# Altium PCB WPTChargerMain.PcbDoc (part 3 of 3)
Units mm, origin at the board's own origin, x right, y up, seen from the top; angles counter-clockwise.
Board outline 107.3 x 57.2 mm, 4 copper layers (Top, GND, Power, Bottom), stack 1.534 mm thick; 206 components, 90 nets, 548 pads, 577 vias.
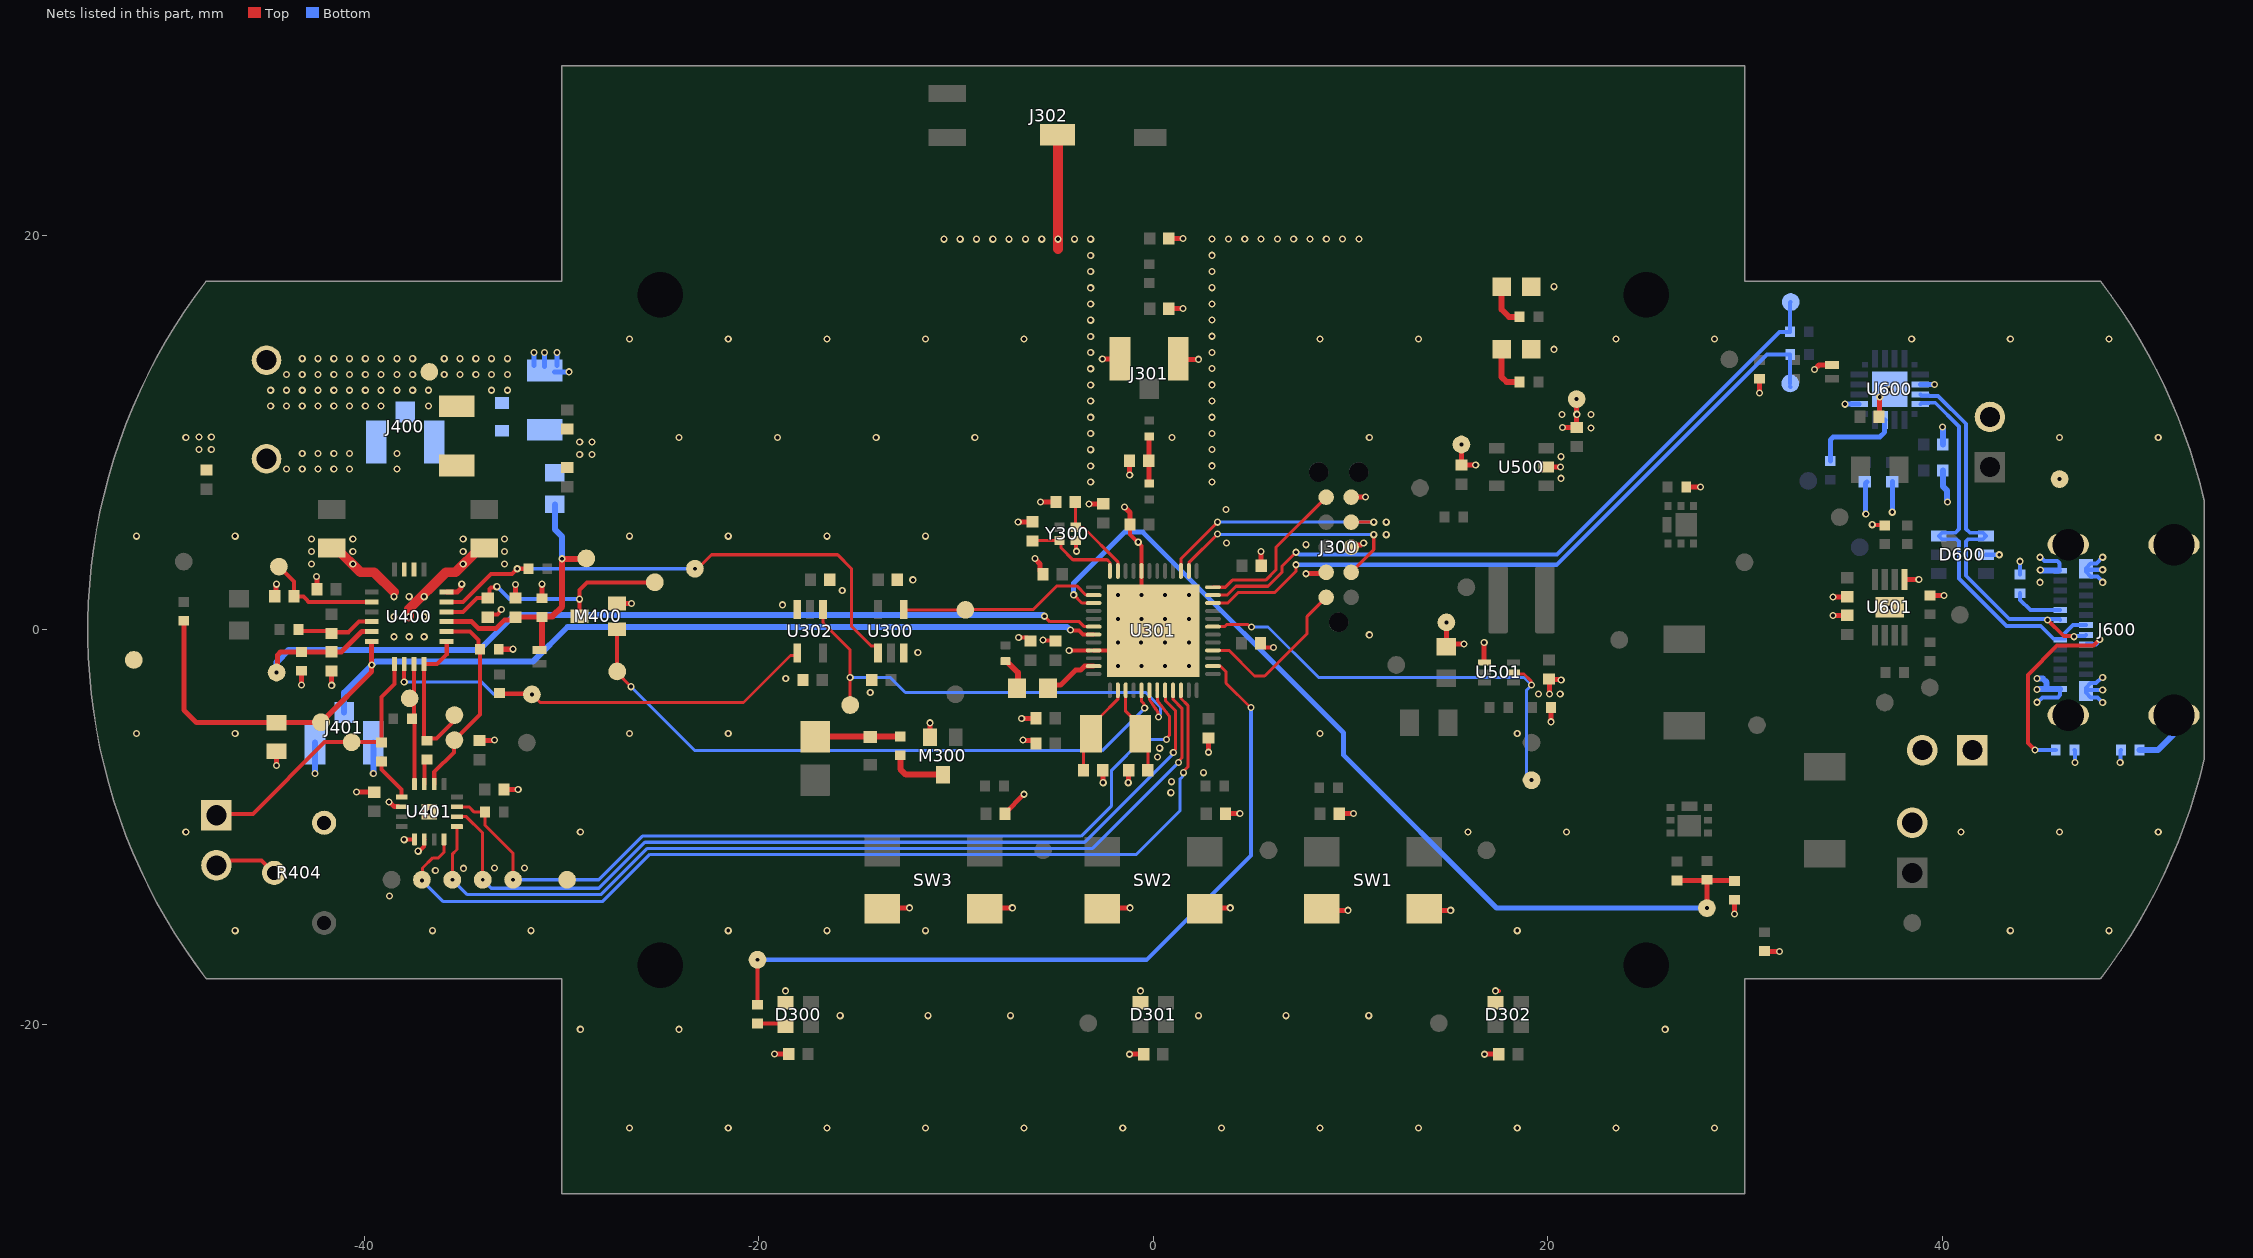
[diagram p5: the nets of this part, all layers, seen from the top]

## Via types
v1: diameter 0.365/0.365/0.365/0.365 (per signal layer), hole 0.2, Top to Bottom, tented both sides, 430 vias
v2: diameter 0.365, hole 0.2, Top to Bottom, tented both sides, 97 vias
v3: diameter 0.365/0.365/0.365/0.365 (per signal layer), hole 0.2, Top to Bottom, 50 vias

## Nets (pads, with @x,y where several pads share a name; then routed paths per layer and width w, separated by ;. In a path a pad name is that pad's centre, name@x,y a point inside that pad or via, vN(x,y) a via of type N, cw(c..) or ccw(c..) an arc to the next point about the centre after c; other vN are vias at no path point) (continued)
GND: C300.1 C301.1 C302.1 C303.1 C304.1 C305.1 C306.1 C307.1 C308.2 C309.1 C310.1 C311.1 C312.2 C313.1 C314.2 C315.1 C316.1 C317.1 C318.1 C319.1 C320.1 C321.1 C322.1 C323.1 C324.1 C325.1 C326.1 C401.1 C402.1 C403.1 C405.1 C406.1 C407.1 C408.1 C409.1 C410.1 C411.1 C412.1 C413.1 C414.1 C415.1 C500.2 C501.2 C502.1 C503.1 C600.2 C601.1 C602.1 C603.2 C604.1 C605.1 C606.1 D300.3 D301.3 D302.3 D500.K D600.2 D603.1 D604.K J300.3 J300.5 J300.9 J301.2 J301.3 J302.3 J401.2 J401.3 J600.A1 J600.A12 J600.B1 J600.B12 J601.2 JP600.2 JP601.1 JP601.2 M300.2 M400.2 NTC400.1 R401.1 R404.3 R407.1 R412.1 R502.1 R600.2 R601.2 R602.2 R606.1 R607.1 R612.1 R613.1 R616.1 R618.1 SW1.1 SW1.2 SW2.1 SW2.2 SW3.1 SW3.2 TP420.1 TP421.1 TP503.1 TP505.1 TP506.1 TP614.1 U300.3 U301.32 U301.45 U301.49 U302.3 U400.16 U400.21 U401.6 U401.9 U401.10 U401.17 U500.2 U501.4 U600.3 U600.12 U600.21 U601.5 U601.9 Y300.4 | length 108.3
  Top w0.205: v1@-44.456,-6.878 v1(-44.453,-6.88) ; v1@-43.181,-2.798 v1(-43.178,-2.8) ; v1@-41.657,-2.808 v1(-41.654,-2.81) ; v1(-37.981,-10.636) -37.972,-10.627 -37.464,-10.627 U401.9@-37.456,-10.619 ; v1(-37.269,-11.221) -37.239,-11.19 -37.184,-11.19 -36.973,-10.98 -36.973,-10.636 U401.10@-36.956,-10.619 ; C411.1@-33.739,0.642 -33.604,0.777 -33.254,0.777 -33.084,0.947 -33.084,1.01 v1(-33.054,1.04) ; v1@-32.464,-0.982 v1(-32.462,-0.979) ; v1@-32.2,-8.094 v1(-32.198,-8.091) ; v1@-26.462,1.339 v1(-26.46,1.342) ; v1(-19.203,-21.505) v1@-19.2,-21.503 ; C305.1@-18.479,-21.503 C305.1@-18.477,-21.5 ; D300.3@-18.477,-19.023 D300.3@-18.475,-19.025 ; SW3.2@-13.081,-14.097 SW3.2@-13.079,-14.095 ; v1@-12.357,-14.095 v1(-12.355,-14.092) ; v1(-11.323,-4.713) v1@-11.32,-4.715 ; SW3.1@-7.874,-14.097 SW3.1@-7.872,-14.095 ; v1@-7.15,-14.095 v1(-7.148,-14.092) ; v1(-6.851,5.475) v1@-6.849,5.478 ; v1(-6.825,-0.383) -6.817,-0.392 -6.401,-0.392 C301.1@-6.223,-0.57 ; v1(-6.672,-4.489) v1@-6.67,-4.486 ; v1(-5.588,-0.508) -5.557,-0.539 -4.984,-0.539 C300.1@-4.953,-0.57 ; v1(-4.265,-1.045) -4.261,-1.042 U301.45@-3.247,-1.042 ; Y300.4@-3.937,4.533 -3.912,4.508 -3.912,4.013 v1(-3.886,3.988) ; v1(-3.266,6.387) v1@-3.264,6.39 ; U301.45@-3.025,-1.039 -2.247,-1.039 U301.49@-1.875,-0.667 ; v1(-2.586,13.741) v1@-2.583,13.744 ; SW2.2@-1.905,-14.097 SW2.2@-1.903,-14.095 ; v1(-1.211,-21.515) v1@-1.209,-21.512 ; v1@-1.199,7.855 v1(-1.197,7.852) ; C316.1@-1.187,5.338 -1.187,4.841 -0.591,4.245 U301.32@-0.591,2.995 ; v1@-1.181,-14.095 v1(-1.179,-14.092) ; v1(-0.6,1.761) U301.32@-0.6,2.986 ; C307.1@-0.487,-21.512 C307.1@-0.485,-21.51 ; D301.3@-0.477,-19.023 D301.3@-0.475,-19.025 ; v1@1.508,16.289 v1(1.51,16.291) ; v1@1.508,19.845 v1(1.51,19.847) ; v1@2.796,-6.201 v1(2.799,-6.203) ; SW2.1@3.175,-14.097 SW2.1@3.177,-14.095 ; v1@3.899,-14.095 v1(3.901,-14.092) ; v1@4.384,-9.316 v1(4.386,-9.313) ; C320.1@5.438,-0.674 5.438,-0.699 5.62,-0.881 6.088,-0.881 v1(6.096,-0.889) ; v1(5.464,3.976) v1@5.466,3.973 ; SW1.2@9.144,-14.224 SW1.2@9.146,-14.222 ; v1@9.868,-14.222 v1(9.87,-14.219) ; v1@10.149,-9.316 v1(10.151,-9.313) ; v1@10.757,6.733 v1(10.759,6.736) ; SW1.1@14.351,-14.224 SW1.1@14.353,-14.222 ; v1@15.075,-14.222 v1(15.077,-14.219) ; C501.2@15.619,8.357 C501.2@15.621,8.359 ; v1@16.342,8.359 v1(16.345,8.361) ; v1(16.789,-21.515) v1@16.791,-21.512 ; C306.1@17.513,-21.512 C306.1@17.515,-21.51 ; v1@17.52,-18.299 v1@17.523,-18.301 ; D302.3@17.523,-19.023 D302.3@17.525,-19.025 ; U500.2@19.917,8.253 U500.2@19.92,8.255 ; C502.1@20.077,-2.521 C502.1@20.08,-2.523 ; v1@20.08,-3.244 v1(20.082,-3.247) ; R502.1@20.158,-3.935 R502.1@20.16,-3.937 ; v1@20.16,-4.658 v1(20.162,-4.661) ; v1@20.641,8.255 v1(20.643,8.257) ; v1(20.739,10.262) v1@20.742,10.264 ; R613.1@27.016,7.237 R613.1@27.018,7.239 ; v1@27.739,7.239 v1(27.742,7.241) ; R618.1@29.464,-13.683 R618.1@29.466,-13.685 ; v1@29.466,-14.407 v1(29.469,-14.409) ; R616.1@30.732,12.735 R616.1@30.734,12.733 ; v1@30.734,12.012 v1(30.736,12.009) ; R612.1@30.988,-16.281 R612.1@30.99,-16.284 ; v1(34.453,0.734) v1@34.455,0.737 ; v1(34.453,1.669) v1@34.455,1.672 ; C605.1@35.177,0.737 C605.1@35.179,0.739 ; C606.1@35.177,1.672 C606.1@35.179,1.674 ; v1(36.449,5.334) 36.465,5.318 37.068,5.318 R607.1@37.084,5.301 ; U601.5@38.086,2.551 U601.5@38.088,2.553 ; v1@38.809,2.553 v1(38.812,2.555) ; R606.1@39.368,1.743 R606.1@39.37,1.745 ; v1@40.091,1.745 v1(40.094,1.747)
  Top w0.254: C405.1@-44.538,1.703 -44.479,1.762 -44.479,2.297 v1(-44.458,2.318) ; v1@-44.456,-6.878 NTC400.1@-44.456,-6.156 ; v1@-43.181,-2.798 R401.1@-43.181,-2.076 ; v1(-42.426,2.699) -42.405,2.678 -42.405,2.126 C401.1@-42.343,2.064 ; v1@-41.657,-2.808 C406.1@-41.657,-2.086 ; v1(-40.394,-8.223) -40.393,-8.224 -39.502,-8.224 C409.1@-39.5,-8.226 ; v1(-38.743,-8.731) -38.713,-8.731 -38.482,-8.962 U401.6@-38.279,-8.962 ; U400.16@-35.827,1.917 -35.285,1.917 -35.091,2.112 -35.091,2.287 v1(-35.06,2.318) ; C412.1@-34.124,-5.588 -34.113,-5.599 -33.412,-5.599 v1(-33.401,-5.588) ; R407.1@-33.186,-0.982 v1@-32.464,-0.982 ; C410.1@-32.922,-8.094 v1@-32.2,-8.094 ; C407.1@-32.342,1.611 -32.339,1.614 -32.339,2.304 v1(-32.337,2.306) ; R412.1@-30.997,1.602 v1@-30.997,2.317 ; M400.2@-27.184,1.339 v1@-26.462,1.339 ; v1@-19.2,-21.503 C305.1@-18.479,-21.503 ; SW3.2@-13.079,-14.095 v1@-12.357,-14.095 ; M300.2@-11.32,-5.437 v1@-11.32,-4.715 ; SW3.1@-7.872,-14.095 v1@-7.15,-14.095 ; C304.1@-7.514,-9.316 -7.514,-9.291 -6.563,-8.34 v1(-6.563,-8.332) ; v1@-6.849,5.478 C308.2@-6.127,5.478 ; v1@-6.67,-4.486 C309.1@-5.948,-4.486 ; v1(-6.604,-5.588) -6.583,-5.609 -6.096,-5.609 C311.1@-5.948,-5.756 ; v1(-5.993,3.62) -5.993,3.59 -5.747,3.344 -5.747,2.977 C310.1@-5.591,2.821 ; v1(-5.715,6.477) -4.935,6.477 C312.2@-4.932,6.475 ; v1@-3.264,6.39 C314.2@-2.542,6.39 ; v1@-2.583,13.744 J301.3@-1.862,13.744 ; C313.1@-2.561,-7.114 -2.551,-7.124 -2.551,-7.736 v1(-2.54,-7.747) ; SW2.2@-1.903,-14.095 v1@-1.181,-14.095 ; v1(-1.464,6.227) -1.184,5.947 C316.1@-1.184,5.338 ; v1(-1.27,-7.747) -1.258,-7.735 -1.258,-7.128 C315.1@-1.247,-7.117 ; v1@-1.209,-21.512 C307.1@-0.487,-21.512 ; v1@-1.199,7.855 C317.1@-1.199,8.576 ; C321.1@0.787,16.289 v1@1.508,16.289 ; C322.1@0.787,19.845 v1@1.508,19.845 ; J301.2@1.445,13.455 1.445,13.496 1.664,13.716 v1(2.286,13.716) ; v1@2.796,-6.201 C318.1@2.796,-5.479 ; SW2.1@3.177,-14.095 v1@3.899,-14.095 ; C303.1@3.662,-9.316 v1@4.384,-9.316 ; C319.1@5.466,3.252 v1@5.466,3.973 ; v1(7.747,2.845) 7.768,2.867 8.709,2.867 J300.9@8.763,2.921 ; SW1.2@9.146,-14.222 v1@9.868,-14.222 ; C302.1@9.427,-9.316 v1@10.149,-9.316 ; J300.3@10.035,4.193 10.135,4.293 10.522,4.293 10.638,4.409 v1(10.668,4.409) ; J300.5@10.035,6.733 v1@10.757,6.733 ; SW1.1@14.353,-14.222 v1@15.075,-14.222 ; v1(14.859,0.381) C503.1@14.859,-0.851 14.998,-0.712 v1(15.748,-0.712) ; v1(15.621,9.398) C501.2@15.621,8.359 v1@16.342,8.359 ; v1(16.775,-0.646) 16.775,-1.648 U501.4@16.786,-1.659 ; v1@16.791,-21.512 C306.1@17.513,-21.512 ; U500.2@19.92,8.255 v1@20.641,8.255 ; C502.1@20.077,-2.521 20.082,-2.516 20.66,-2.516 v1(20.681,-2.538) ; v1@20.08,-3.244 C502.1@20.08,-2.523 ; v1@20.16,-4.658 R502.1@20.16,-3.937 ; v1@20.742,10.264 C500.2@21.463,10.264 TP505.1@21.463,11.348 ; R613.1@27.018,7.239 v1@27.739,7.239 ; v1@29.466,-14.407 R618.1@29.466,-13.685 ; v1@30.734,12.012 R616.1@30.734,12.733 ; R612.1@30.99,-16.284 31,-16.294 31.738,-16.294 v1(31.75,-16.306) ; v1(33.528,13.208) 33.751,13.431 D603.1@34.417,13.431 ; v1@34.455,0.737 C605.1@35.177,0.737 ; v1@34.455,1.672 C606.1@35.177,1.672 ; C601.1@36.798,10.802 36.814,10.818 36.814,11.795 v1(36.83,11.811) ; U601.5@38.088,2.553 v1@38.809,2.553 ; R606.1@39.37,1.745 v1@40.091,1.745
  Top w0.5: C403.1@-41.659,4.157 -41.434,4.157 -40.2,2.923 -39.501,2.923 -38.492,1.915 ; v1(-37.727,0.667) -37.727,1.057 -35.861,2.923 -35.371,2.923 -34.137,4.157 C402.1@-33.912,4.157 ; J302.3@-4.827,25.174 -4.827,19.305 -4.826,19.304
  Bottom w0.205: v1@-31.395,13.988 v1@-31.392,13.991 ; v1@-30.861,13.988 v1@-30.858,13.991 ; v1@-30.233,13.988 v1@-30.23,13.991 ; v1@-29.632,13.086 v1(-29.629,13.083) ; v1(35.064,11.444) v1@35.067,11.442 ; U600.12@35.788,11.442 U600.12@35.79,11.44 ; U600.3@38.886,12.444 U600.3@38.888,12.442 ; v1@39.609,12.442 v1(39.612,12.44) ; D600.2@42.221,3.81 v1(42.889,3.81) ; R600.2@43.942,2.807 v1(43.942,3.475) ; v1@44.829,-3.667 45.07,-3.427 45.86,-3.427 45.98,-3.306 J600.A12@45.98,-3 ; v1(44.958,2.413) v1@44.964,2.419 ; v1(44.958,3.683) 44.99,3.683 45.175,3.498 45.83,3.498 45.951,3.378 45.951,3.047 45.98,3.018 J600.A1@45.98,3 45.92,3 J600.A1@45.902,3.018 ; v1@44.964,3.03 v1(44.97,3.036) v1@44.988,3.018 ; R601.2@46.703,-6.096 46.72,-6.112 46.72,-6.715 v1(46.736,-6.731) ; v1(48.133,-3.683) 47.879,-3.429 47.527,-3.429 47.28,-3.181 J600.B1@47.28,-3.1 ; v1(48.133,-3.048) 47.332,-3.048 J600.B1@47.28,-3.1 ; v1(48.133,-2.413) 48.09,-2.413 47.8,-2.702 47.527,-2.702 47.28,-2.95 J600.B1@47.28,-3.1 ; v1(48.133,2.413) 48.133,2.456 47.879,2.71 47.527,2.71 47.28,2.958 J600.B12@47.28,3.1 ; v1(48.133,3.048) 47.332,3.048 J600.B12@47.28,3.1 ; v1(48.133,3.683) 47.817,3.367 47.527,3.367 47.28,3.12 J600.B12@47.28,3.1 ; v1(49.022,-6.731) 49.038,-6.715 49.038,-6.114 R602.2@49.055,-6.097
  Bottom w0.254: C408.1@-31.395,13.408 -31.395,13.988 v1@-31.395,14.068 ; C408.1@-30.861,13.345 -30.861,13.988 v1@-30.861,14.066 ; C408.1@-30.353,13.086 v1@-29.632,13.086 ; C408.1@-30.233,13.397 -30.233,13.988 v1@-30.233,14.118 ; v1@35.067,11.442 U600.12@35.788,11.442 ; v1(36.125,5.869) 36.103,5.89 36.103,7.424 C600.2@36.174,7.495 ; v1(37.465,5.969) C602.1@37.465,7.516 ; U600.3@38.888,12.442 v1@39.609,12.442
  Bottom w0.305: v2(-42.495,-7.279) J401.3@-42.495,-5.716 ; v2(-39.545,-7.279) J401.2@-39.546,-5.715 ; v1(40.005,10.287) 40.028,10.264 C604.1@40.028,9.398 ; C603.2@40.028,8.085 40.028,7.278 40.248,7.058 40.248,6.488 v1(40.259,6.477) ; v1(44.807,-2.466) 45.095,-2.466 45.288,-2.659 45.288,-2.993 ; v1@44.823,-3 J600.A12@45.98,-3 ; v1@44.988,3.018 J600.A1@45.902,3.018
  other v1: -26.549,-25.251 -21.549,-25.251 -16.549,-25.251 -11.549,-25.251 -6.549,-25.251 -1.549,-25.251 3.451,-25.251 8.451,-25.251 13.451,-25.251 18.451,-25.251 23.451,-25.251 28.451,-25.251 -29.049,-20.251 -24.049,-20.251 25.951,-20.251 -15.875,-19.558 -11.43,-19.558 -7.239,-19.558 2.286,-19.558 6.731,-19.558 10.922,-19.558 -18.65,-18.299 -0.65,-18.299 17.35,-18.299 -46.549,-15.251 -36.549,-15.251 -31.549,-15.251 -21.549,-15.251 -16.549,-15.251 -11.549,-15.251 18.451,-15.251 43.451,-15.251 48.451,-15.251 -38.719,-13.498 -36.4,-12.199 -34.965,-12.088 -33.401,-12.065 -31.877,-12.065 -49.049,-10.251 -29.049,-10.251 15.951,-10.251 20.951,-10.251 40.951,-10.251 45.951,-10.251 50.951,-10.251 -36.706,-9.219 0.889,-8.255 0.916,-7.696 2.54,-7.239 0.211,-6.445 0.324,-5.996 -51.549,-5.251 -46.549,-5.251 -26.549,-5.251 -21.549,-5.251 8.451,-5.251 18.451,-5.251 44.807,-3.667 19.532,-3.251 20.628,-3.251 -14.351,-3.175 44.807,-3.016 -18.634,-2.462 -1.8,-1.839 -0.6,-1.839 0.6,-1.839 1.8,-1.839 -11.938,-1.143 -1.8,-0.639 -0.627,-0.639 0.6,-0.639 1.8,-0.639 -38.489,-0.349 -37.727,-0.349 -36.965,-0.349 10.951,-0.251 -1.8,0.561 -0.6,0.561 0.6,0.561 1.8,0.561 -38.489,0.667 -36.965,0.667 37.338,1.143 -18.796,1.27 -38.489,1.683 -37.727,1.683 -36.965,1.683 -1.8,1.761 0.6,1.761 1.8,1.761 -15.77,1.994 -30.996,2.318 -12.192,2.54 -42.68,3.334 -40.585,3.334 -34.986,3.334 -32.891,3.334 -42.68,3.969 -40.585,3.969 -34.986,3.969 -32.891,3.969 7.747,4.318 3.714,4.405 -0.762,4.445 -42.68,4.604 -40.585,4.604 -34.986,4.604 -32.891,4.604 -51.549,4.749 -46.549,4.749 -26.549,4.749 -21.549,4.749 -16.549,4.749 -11.549,4.749 11.811,4.826 11.811,5.461 3.683,6.096 45.949,7.645 20.668,7.683 20.668,8.782 -29.083,8.897 -28.455,8.897 -48.387,9.151 -47.759,9.151 -29.083,9.525 -28.455,9.525 -49.049,9.749 -24.049,9.749 -19.049,9.749 -14.049,9.749 -9.049,9.749 0.951,9.749 10.951,9.749 45.951,9.749 50.951,9.749 -48.387,9.779 -47.759,9.779 22.193,10.242 20.715,10.916 21.473,10.929 22.193,10.923 21.463,11.702 37.338,12.192 -31.392,14.068 -30.858,14.068 -30.23,14.068 20.32,14.224 -26.549,14.749 -21.549,14.749 -16.549,14.749 -11.549,14.749 -6.549,14.749 8.451,14.749 13.451,14.749 23.451,14.749 28.451,14.749 38.451,14.749 43.451,14.749 48.451,14.749 20.32,17.399
  other v3: -3.175,7.493 2.983,7.498 -3.175,8.314 2.983,8.319 -3.175,9.135 2.983,9.14 -3.175,9.956 2.983,9.961 -3.175,10.777 2.983,10.782 -3.175,11.598 2.983,11.603 -3.175,12.419 2.983,12.424 -3.175,13.239 2.983,13.245 -3.175,14.06 2.983,14.066 -3.175,14.881 2.983,14.886 -3.175,15.702 2.983,15.707 -3.175,16.523 2.983,16.528 -3.175,17.344 2.983,17.349 -3.175,18.165 2.983,18.17 -3.175,18.986 2.983,18.991 -10.616,19.807 -9.789,19.807 -8.963,19.807 -8.136,19.807 -7.309,19.807 -6.482,19.807 -5.655,19.807 -4.829,19.807 -4.002,19.807 -3.175,19.807 2.983,19.812 3.81,19.812 4.637,19.812 5.464,19.812 6.29,19.812 7.117,19.812 7.944,19.812 8.771,19.812 9.598,19.812 10.424,19.812
LEDs: R300.2 TP304.1 U301.14 | length 40.1
  Top w0.154: U301.14@3.025,-1.839 3.411,-1.838 3.689,-2.117 3.689,-2.699 4.928,-3.937 v1(4.953,-3.937)
  Top w0.205: R300.2@-20.066,-19.003 v1(-20.066,-16.724)
  Bottom w0.205: v1(-20.066,-16.724) -0.341,-16.724 4.953,-11.43 v1(4.953,-3.937)
NetC317_2: C317.2 L302.2 L303.1 | length 2.4
  Top w0.247: L302.2@-0.209,7.415 -0.22,7.427 -0.22,8.567 C317.2@-0.232,8.578 -0.22,8.59 -0.22,9.8 L303.1@-0.209,9.811
NetC400_1: C400.1 R409.2 U400.4 | length 4
  Top w0.205: R409.2@-43.343,0.025 -43.271,-0.047 -41.731,-0.047 -41.659,-0.119 -40.799,-0.119 -40.263,0.417 U400.4@-39.627,0.417
NetC404_1: C404.1 D400.2 J400.1 L400.1 TP408.1
  other v2: -44.749,11.349 -43.949,11.349 -43.149,11.349 -42.349,11.349 -41.549,11.349 -40.749,11.349 -39.949,11.349 -39.149,11.349 -36.749,11.349 -44.749,12.149 -43.949,12.149 -43.149,12.149 -42.349,12.149 -41.549,12.149 -40.749,12.149 -39.949,12.149 -39.149,12.149 -38.349,12.149 -37.549,12.149 -36.749,12.149 -33.549,12.149 -32.749,12.149 -43.949,12.949 -43.149,12.949 -42.349,12.949 -41.549,12.949 -40.749,12.949 -39.949,12.949 -39.149,12.949 -38.349,12.949 -37.549,12.949 -35.949,12.949 -35.149,12.949 -34.349,12.949 -33.549,12.949 -32.749,12.949 -43.149,13.749 -42.349,13.749 -41.549,13.749 -40.749,13.749 -39.949,13.749 -39.149,13.749 -38.349,13.749 -37.549,13.749 -35.949,13.749 -35.149,13.749 -34.349,13.749 -33.549,13.749 -32.749,13.749
NetC408_2: C408.2 D400.1 R411.2
NetD300_4: D300.4 R300.1 | length 1.6
  Top w0.205: R300.1@-20.066,-19.953 -20.055,-19.964 -18.486,-19.964 D300.4@-18.475,-19.975
NetD303_2: D303.2 P300.2 R312.2 | length 4.3
  Top w0.305: P300.2@-17.145,-5.416 -17.135,-5.406 R312.2@-12.827,-5.406
NetD500_A: D500.A R504.1 | length 2.2
  Top w0.305: D500.A@17.665,17.399 17.665,16.244 18.034,15.875 R504.1@18.575,15.875
NetD604_A: D604.A R619.1 | length 2.4
  Top w0.305: D604.A@17.665,14.224 17.665,12.815 17.907,12.573 R619.1@18.575,12.573
NetJ600_1: J600.1 J600.2 J600.3 J600.4 R602.1 | length 3
  Bottom w0.305: R602.1@50.005,-6.097 50.926,-6.097 51.689,-5.334 51.689,-4.381 J600.4@51.75,-4.32
NetJ600_A5: J600.A5 R600.1 | length 2.6
  Bottom w0.205: R600.1@43.942,1.857 43.942,1.524 44.466,1 J600.A5@45.98,1
NetJ600_B5: J600.B5 R601.1 | length 10.2
  Top w0.205: v1(44.704,-6.096) 44.35,-5.742 44.35,-2.277 45.825,-0.802 47.667,-0.802 v1(47.983,-0.485)
  Bottom w0.205: v1(44.704,-6.096) R601.1@45.753,-6.096 ; J600.B5@47.28,-0.75 47.302,-0.728 47.783,-0.728 47.983,-0.528 v1(47.983,-0.485)
NetJP400_2: JP400.2 R404.2 | length 3.3
  Top w0.205: JP400.2@-47.498,-11.938 -47.244,-11.684 -45.212,-11.684 R404.2@-44.577,-12.319
NetL300_1: L300.1 L301.2 | length 1.7
  Top w0.305: L300.1@-7.493,-1.582 -7.443,-1.582 -6.858,-2.167 -6.858,-2.914 L301.2@-6.904,-2.96
NetL301_1: L301.1 U301.47 | length 2.8
  Top w0.205: L301.1@-5.334,-2.96 L301.1@-5.166,-2.792
  Top w0.254: L301.1@-5.166,-2.792 -4.697,-2.792 -3.949,-2.044 -3.695,-2.044 -3.49,-1.839 U301.47@-3.025,-1.839
NetM300_3: M300.3 R312.1 | length 3
  Top w0.305: R312.1@-12.827,-6.356 -12.827,-7.06 -12.548,-7.339 M300.3@-10.668,-7.339
NetR405_1: R405.1 U401.5 | length 2.4
  Top w0.205: R405.1@-39.124,-6.514 -39.124,-7.08 -38.106,-8.098 U401.5@-38.106,-8.469
NetR406_1: R406.1 U401.3 | length 1.2
  Top w0.152: R406.1@-36.96,-6.646 R406.1@-36.956,-6.65
  Top w0.205: U401.3@-36.956,-7.819 R406.1@-36.956,-6.65
NetR603_1: R603.1 U600.9 | length 4.6
  Bottom w0.254: R603.1@34.324,8.563 34.324,9.63 34.473,9.779 36.834,9.779 37.077,10.022 37.077,10.631 U600.9@37.088,10.642
R\E\S\E\T\: J300.10 U301.16 | length 8.4
  Top w0.154: U301.16@3.025,-1.039 3.833,-1.039 5.127,-2.333 5.648,-2.333 7.801,-0.18 7.801,0.689 J300.10@8.763,1.651
SPI.C\S\: TP411.1 U301.10 U401.12 | length 49.8
  Top w0.152: TP411.1@-37.048,-12.637 -37.048,-12.078 -36.528,-11.557 -36.235,-11.557 -35.956,-11.278 U401.12@-35.956,-10.619 ; U301.10@1.4,-3.064 1.409,-3.073 1.409,-3.483 1.753,-3.826 1.753,-6.953 1.524,-7.181 v1(1.524,-7.239)
  Bottom w0.152: v1(-37.084,-12.7) -36.02,-13.764 -27.912,-13.764 -25.527,-11.378 -0.85,-11.378 1.348,-9.181 1.348,-7.569 1.463,-7.454 1.483,-7.433 1.483,-7.28 v1(1.524,-7.239)
SPI.SCLK: TP405.1 U301.9 U401.13 | length 46.6
  Top w0.152: v1(-35.539,-12.668) -35.539,-11.369 -35.306,-11.136 U401.13@-35.306,-9.969
  Top w0.154: U301.9@1,-3.064 1.009,-3.073 1.009,-3.533 1.447,-3.971 1.447,-6.497 1.27,-6.674 v1(1.27,-6.731)
  Bottom w0.154: v1(-35.539,-12.668) -34.78,-13.427 -28.007,-13.427 -25.653,-11.073 -3.072,-11.073 v1(1.27,-6.731)
SPI.SDIN: TP404.1 U301.8 U401.14 | length 45.5
  Top w0.152: U401.14@-35.306,-9.469 -34.83,-9.469 -33.998,-10.301 v1(-33.998,-12.668)
  Top w0.154: U301.8@0.6,-3.064 0.609,-3.073 0.609,-3.578 1.118,-4.088 1.118,-6.064 1.016,-6.166 v1(1.016,-6.223)
  Bottom w0.154: v1(-33.998,-12.668) -33.567,-13.099 -28.113,-13.099 -25.78,-10.766 -3.477,-10.766 1.016,-6.274 v1(1.016,-6.223)
SPI.SDO: R413.2 TP412.1 U301.7 U401.15 | length 45.4
  Top w0.152: U401.15@-35.306,-8.969 -34.695,-8.969 -34.425,-9.239 R413.2@-33.884,-9.239 -33.884,-9.907 -32.457,-11.335 v1(-32.457,-12.668)
  Top w0.154: U301.7@0.2,-3.064 0.209,-3.073 0.209,-3.569 0.812,-4.368 0.812,-5.352 0.662,-5.502 v1(0.662,-5.559)
  Bottom w0.154: v1(-32.457,-12.668) -28.115,-12.668 -25.907,-10.46 -3.654,-10.46 -2.109,-8.915 -2.109,-7.114 -0.554,-5.559 v1(0.662,-5.559)
SWDCLK: J300.4 U301.27 | length 12.3
  Top w0.154: U301.27@1.4,2.986 1.4,3.612 3.25,5.462 v1(3.261,5.462) ; J300.4@10.033,5.461 v1(11.176,5.461)
  Bottom w0.154: v1(3.261,5.462) v1(11.176,5.461)
SWDIO: J300.2 U301.26 | length 12.8
  Top w0.154: U301.26@1.8,2.986 1.8,3.402 v1(3.253,4.855) ; J300.2@10.033,2.921 11.176,4.064 v1(11.176,4.826)
  Bottom w0.154: v1(3.253,4.855) 3.267,4.84 11.162,4.84 v1(11.176,4.826)
SWO: J300.6 U301.24 | length 8.3
  Top w0.154: U301.24@3.025,2.161 3.65,2.161 4.01,2.52 5.695,2.52 6.223,3.048 6.223,4.191 J300.6@8.763,6.731
UART_MCU.RX: R604.1 TP602.1 U301.23 | length 36.6
  Top w0.154: U301.23@3.025,1.761 3.741,1.761 4.191,2.211 5.82,2.211 6.529,2.921 6.529,3.227 v1(7.239,3.937)
  Bottom w0.205: v1(7.239,3.937) 7.282,3.937 7.398,3.821 20.458,3.821 31.75,15.113 R604.1@32.283,15.113 32.283,16.588 TP602.1@32.317,16.622
UART_MCU.TX: R605.1 TP603.1 U301.22 | length 36.2
  Top w0.154: U301.22@3.025,1.361 3.774,1.361 4.318,1.905 6.173,1.905 7.239,2.971 v1(7.239,3.302)
  Bottom w0.205: v1(7.239,3.302) 20.447,3.302 31.115,13.97 R605.1@32.291,13.97 TP603.1@32.291,12.495 ; TP603.1@32.291,12.33 TP603.1@32.317,12.304
USB_N: D600.6 J600.A7 J600.B7 U600.5 | length 20.1
  Bottom w0.198: U600.5@38.888,11.442 38.939,11.493 39.331,11.493 39.355,11.517 39.646,11.517 40.856,10.306 40.856,5.117 40.665,4.925 39.986,4.925 D600.6@39.821,4.76 39.986,4.595 40.73,4.595 40.846,4.479 40.846,2.601 43.251,0.196 44.994,0.196 45.639,-0.449 46.231,-0.449 46.231,-0.153 46.634,0.25 J600.B7@47.28,0.25
USB_P: D600.1 J600.A6 J600.B6 U600.4 | length 20.4
  Top w0.198: v1(45.339,0.508) 46.16,-0.313 46.652,-0.313 v1(46.684,-0.345)
  Bottom w0.198: U600.4@38.888,11.942 38.939,11.891 39.331,11.891 39.355,11.867 39.791,11.867 41.206,10.451 41.206,5.121 41.402,4.925 42.056,4.925 D600.1@42.221,4.76 42.056,4.595 41.312,4.595 41.196,4.479 41.196,2.855 ; 41.196,2.909 41.196,2.746 43.396,0.546 45.339,0.546 45.934,0.546 J600.A6@45.98,0.5 ; v1(46.684,-0.345) 46.729,-0.345 46.774,-0.301 47.229,-0.301 J600.B6@47.28,-0.25
VCC_EN: TP502.1 U301.19 U501.2 | length 23.8
  Top w0.154: U301.19@3.025,0.161 3.603,0.161 3.719,0.277 4.791,0.277 4.919,0.15 v1(4.976,0.15) ; U501.2@18.266,-2.159 18.339,-2.232 18.799,-2.232 19.141,-2.574 19.141,-2.757 v1(19.182,-2.797)
  Bottom w0.154: v1(4.976,0.15) 5.819,0.15 8.382,-2.413 18.797,-2.413 v1@19.178,-2.794 ; v1(19.177,-7.62) 18.923,-7.366 18.923,-3.056 v1(19.182,-2.797)
VCHG_MEAS: R614.1 R617.1 R618.2 TP615.1 U301.39 | length 47.8
  Top w0.154: v1(-4.037,1.777) -3.622,1.361 U301.39@-3.025,1.361
  Top w0.254: R617.1@26.543,-12.7 R618.2@29.464,-12.7 ; v1(28.068,-14.103) 28.084,-14.087 R614.1@28.084,-12.723 ; R618.2@29.448,-12.716 R618.2@29.464,-12.733
  Bottom w0.254: v1(-4.037,1.777) -4.037,2.373 -1.457,4.953 -0.529,4.953 9.652,-5.228 9.652,-6.35 17.399,-14.097 v1@28.068,-14.097
WPT_CTD: C411.2 M400.3 TP416.1 U400.14 | length 13.1
  Top w0.205: U400.14@-35.827,0.917 -34.993,0.917 -34.297,1.612 C411.2@-33.739,1.612 -33.663,1.688 -33.663,2.064 -33.567,2.16 -33.313,2.16 v1(-33.282,2.191) ; M400.3@-29.086,0.687 -29.091,0.692 v1(-29.091,1.556) -29.091,2.024 -28.702,2.413 TP416.1@-25.273,2.413
  Bottom w0.205: v1(-33.282,2.191) -32.647,1.556 v1(-29.091,1.556)
WPT_CTD_CTRL: M400.1 TP409.1 U301.5 | length 32.5
  Top w0.154: TP409.1@-27.181,-2.107 -27.181,-2.174 v1@-26.476,-2.879 ; U301.5@-0.6,-3.064 -0.6,-3.62 -0.498,-3.722 -0.498,-3.728 -0.476,-3.749 -0.476,-3.926 v1(-0.436,-3.966)
  Top w0.205: M400.1@-27.186,0.037 -27.181,0.032 TP409.1@-27.181,-2.107
  Bottom w0.154: v1(-26.475,-2.879) -23.231,-6.123 -2.593,-6.123 v1(-0.436,-3.966)
WPT_CTS: C405.2 TP415.1 U400.2 | length 5.9
  Top w0.205: TP415.1@-44.331,3.207 -43.568,2.444 C405.2@-43.568,1.703 -43.548,1.683 -43.085,1.683 -42.943,1.541 -42.943,1.537 -42.822,1.417 U400.2@-39.627,1.417
WPT_DTH: JP400.1 R405.2 TP403.1 U400.7 | length 14.2
  Top w0.152: R405.2@-39.146,-5.694 R405.2@-39.124,-5.716
  Top w0.205: JP400.1@-47.498,-9.398 -47.433,-9.333 -45.655,-9.333 -42.016,-5.694 TP403.1@-40.643,-5.694 R405.2@-39.146,-5.694 ; R405.2@-38.972,-5.589 -39.104,-5.589 -39.124,-5.569 -39.124,-3.397 -38.477,-2.75 U400.7@-38.477,-1.733
WPT_E\N\: R403.1 TP400.1 U300.1 U400.15 | length 27.3
  Top w0.154: v1(-23.241,3.1) -23.107,3.1 -22.397,3.81 -16.002,3.81 -15.296,3.104 -15.296,0.178 -14.29,-0.828 -14.073,-0.828 -13.95,-0.951 U300.1@-13.95,-1.169
  Top w0.205: U400.15@-35.827,1.417 -34.998,1.417 -33.589,2.826 -32.52,2.826 v1(-32.246,3.1) R403.1@-31.676,3.1
  Bottom w0.154: v1(-32.246,3.1) -31.063,3.1 v1(-23.241,3.1)
WPT_E\N\_3V3: TP307.1 U300.4 U301.38 | length 10.3
  Top w0.154: U300.4@-12.65,1.031 -12.635,1.016 TP307.1@-9.525,1.016 ; TP307.1@-9.525,1.031 -6.081,1.031 -4.878,2.234 -3.882,2.234 -3.418,1.77 -3.034,1.77 U301.38@-3.025,1.761
WPT_FB: C407.2 D401.2 R411.1 R412.2 TP414.1 U400.13 | length 14.8
  Top w0.254: U400.13@-35.827,0.417 -34.556,0.417 -34.221,0.082 -34.168,0.082 -34.165,0.078 -33.313,0.078 -32.881,0.511 -32.482,0.511 C407.2@-32.342,0.651 ; C407.2@-32.332,0.651 R412.2@-30.997,0.651
  Top w0.305: D401.2@-31.123,-1.015 -31.045,-1.015 -30.997,-0.968 R412.2@-30.997,0.651 -30.963,0.685 -30.47,0.685 -29.972,1.183 v1(-29.972,3.606) TP414.1@-28.746,3.606
  Bottom w0.305: R411.1@-30.345,6.369 -30.345,5.097 -29.972,4.724 v1(-29.972,3.606)
WPT_FTH: R402.1 TP402.1 U400.9 U401.4 | length 6.2
  Top w0.205: U400.9@-37.477,-1.733 -37.477,-3.401 -37.6,-3.524 -37.473,-3.651 -37.473,-4.54 -37.456,-4.557 U401.4@-37.456,-7.819
WPT_IMON: C406.2 R401.2 TP419.1 U301.42 U400.5 | length 49.3
  Top w0.154: v1(-5.516,0.69) -5.245,0.419 -3.752,0.419 -3.493,0.161 U301.42@-3.025,0.161
  Top w0.254: v1(-44.45,-2.159) -44.396,-2.105 -44.396,-1.273 -44.247,-1.124 R401.2@-43.208,-1.124 ; R401.2@-43.183,-1.124 -43.178,-1.119 -41.664,-1.119 C406.2@-41.659,-1.114 -41.656,-1.111 -41.156,-1.111 -40.13,-0.085 -39.629,-0.085 U400.5@-39.627,-0.083
  Bottom w0.305: v1(-44.45,-2.159) -44.45,-1.634 -43.832,-1.016 -34.163,-1.016 -32.385,0.762 -5.604,0.762 -5.532,0.69 v1(-5.516,0.69)
WPT_NTC: J401.1 NTC400.2 R408.1 TP401.1 U301.43 U400.6 | length 57.5
  Top w0.203: v1(-4.191,-0.012) -4.16,-0.043 -3.757,-0.043 -3.561,-0.239 U301.43@-3.025,-0.239
  Top w0.254: R408.1@-49.152,0.466 -49.152,-4.061 -48.509,-4.704 NTC400.2@-44.458,-4.704 -42.397,-4.704 -42.233,-4.54 -42.045,-4.54 -39.627,-2.122 U400.6@-39.627,-0.583
  Bottom w0.305: J401.1@-41.021,-4.19 -41.021,-3.175 v1(-39.624,-1.778) -39.608,-1.778 -39.427,-1.597 -31.442,-1.597 -29.698,0.147 -4.366,0.147 -4.207,-0.012 v1(-4.191,-0.012)
WPT_PTH1: R406.2 TP410.1 U400.10 U400.11 | length 8
  Top w0.205: R406.2@-36.972,-5.621 -36.972,-1.738 U400.10@-36.977,-1.733 -36.317,-1.733 -35.822,-1.238 -35.822,-0.588 U400.11@-35.827,-0.583 ; R406.2@-36.83,-5.621 -36.705,-5.496 -36.35,-5.496 -35.566,-4.712 -35.566,-4.451 TP410.1@-35.433,-4.318
WPT_PTHM: R407.2 TP407.1 U400.12 U401.2 | length 10.1
  Top w0.205: U401.2@-36.456,-7.819 -36.456,-7.209 -35.465,-6.217 -35.465,-5.62 TP407.1@-35.433,-5.588 -34.138,-4.293 R407.2@-34.138,-0.984 -34.204,-0.918 -34.204,-0.522 -34.643,-0.083 U400.12@-35.827,-0.083
WPT_STAT: R410.1 TP417.1 U302.4 U400.8 | length 24
  Top w0.152: v1(-37.981,-2.635) v1@-37.979,-2.633 ; U400.8@-37.979,-1.735 U400.8@-37.977,-1.733
  Top w0.154: v1(-31.504,-3.27) -31.494,-3.27 -31.081,-3.683 -20.773,-3.683 -18.39,-1.3 -18.172,-1.3 -18.049,-1.177 U302.4@-18.049,-1.169
  Top w0.205: v1@-37.979,-2.633 U400.8@-37.979,-1.735 ; R410.1@-33.155,-3.204 -33.122,-3.237 -31.537,-3.237 v1(-31.504,-3.27)
  Bottom w0.154: v1(-37.981,-2.635) -34.068,-2.635 -33.433,-3.27 v1(-31.504,-3.27)
WPT_STAT_3V3: TP308.1 U301.6 U302.1 | length 23.8
  Top w0.154: U302.1@-16.749,1.031 -16.749,0.366 -15.367,-1.016 v1(-15.367,-2.413) TP308.1@-15.367,-3.81 ; U301.6@-0.203,-3.067 -0.203,-3.517 0.138,-4.039 0.231,-4.163 v1(0.264,-4.412)
  Bottom w0.154: v1(-15.367,-2.413) -13.335,-2.413 -12.573,-3.175 -0.381,-3.175 0.358,-3.914 0.358,-4.26 0.264,-4.354 v1(0.264,-4.412)
WPT_SW1: J400.2 J400.3 L400.2 U400.19
  other v2: -43.949,8.149 -43.149,8.149 -42.349,8.149 -41.549,8.149 -40.749,8.149 -38.349,8.149 -43.149,8.949 -42.349,8.949 -41.549,8.949 -40.749,8.949 -38.349,8.949
WPT_SW2: C404.2 U400.18
XC1: C312.1 U301.35 Y300.1 | length 4.6
  Top w0.152: C312.1@-3.96,6.477 -3.937,6.454 Y300.1@-3.937,5.203 -3.923,5.189 -3.538,5.189 -1.8,3.451 U301.35@-1.8,2.986
XC2: C308.1 U301.36 Y300.3 | length 5
  Top w0.154: C308.1@-6.125,4.51 -6.102,4.533 Y300.3@-4.757,4.533 -4.683,4.459 -4.683,4.157 -4.082,3.556 -2.337,3.556 -2.2,3.419 U301.36@-2.2,2.986
XL1: C313.2 U301.2 Y301.2 | length 4.8
  Top w0.152: C313.2@-3.533,-7.112 -3.533,-5.641 Y301.2@-3.162,-5.27 -3.162,-4.87 -2.688,-4.396 -2.676,-4.396 -1.802,-3.522 -1.802,-3.066 U301.2@-1.8,-3.064
XL2: C315.2 U301.3 Y301.1 | length 4.5
  Top w0.152: U301.3@-1.4,-3.064 -1.4,-4.132 -0.662,-4.87 Y301.1@-0.662,-5.27 -0.277,-5.655 C315.2@-0.277,-7.112
pads on no net: D302.2 D600.3 D600.4 J300. J300.7 J300.8 J302.1 J302.2 J600.A2 J600.A3 J600.A8 J600.A10 J600.A11 J600.B2 J600.B3 J600.B8 J600.B10 J600.B11 U301.28 U500.4 U600.1 U600.2 U600.10 U600.11 U600.13 U600.14 U600.15 U600.16 U600.19 U600.20 X100.1 X101.1 X102.1 X103.1 Y300.2

## Polygon pours and split planes (outlines as drawn)
+3V3_VDD on Top "|" (solid, pour order 33): -30.028,10.868 -28.067,10.868 -28.067,12.065 -30.028,12.065
+5V0_VCC on Top "|" (solid, pour order 32): -30.028,7.547 -28.067,7.547 -28.067,6.35 -30.028,6.35
+5V0_WPT_VIN on Top "+5V0_WPT_VIN_L01_P031" (solid, pour order 31): -47.696,7.42 -49.911,7.42 -49.911,6.223 -47.696,6.223
+VBUS on Top "+VBUS_TConnection" (solid, pour order 30): 25.158,-9.366 28.321,-9.366 28.321,-10.473 26.97,-10.473 26.97,-12.192 25.146,-12.192
GND on Top "GND_TOP" (solid, remove dead copper, pour order 34): -48.027,-17.67 -29.997,-17.678 -29.997,-28.571 -29.972,-28.596 29.958,-28.596 29.997,-28.575 29.997,-17.678 48,-17.678 48.027,-17.669 ccw(c25,0) 53.281,-6.529 53.281,-6.516 53.281,6.516 53.281,6.529 ccw(c25.001,0) 48.027,17.669 48,17.678 29.997,17.678 29.997,20.32 -29.997,20.32 -29.997,17.678 -31.623,17.678 -31.623,7.239 -46.736,7.239 -46.736,17.669 -48,17.678 -48.027,17.669 ccw(c-25,0)
+V_UNREG on Top "+V_UNREG" (solid, remove dead copper, pour order 17): -21.819,-19.744 21.342,-19.744 21.361,-17.907 21.361,-2.286 17.805,-2.286 17.805,-0.889 18.567,-0.889 18.567,9.652 25.502,9.652 25.502,5.969 26.27,5.969 26.27,3.937 28.682,3.937 28.682,1.377 28.741,-2.54 24.994,-2.54 24.994,-22.733 -21.819,-22.733
+5V0_VCC on Top "+5V0_VCC_WPT_IN" (solid, remove dead copper, pour order 19): -48.641,-2.54 -45.021,-2.54 -45.021,-0.889 -43.688,-0.889 -43.688,0.635 -48.641,0.635
+3V7_BAT on Top "+3V7_BAT" (solid, remove dead copper, pour order 14): 26.473,4.177 26.473,6.486 31.242,6.486 31.242,12.975 36.825,12.975 cw(c36.825,12.873) 36.927,12.873 36.927,1.905 28.976,1.905 28.976,4.177
+5V0_VCHG on Top "+5V0_VCHG" (solid, remove dead copper, pour order 11): 25.146,-9.144 25.146,-2.794 28.877,-2.794 28.877,0.381 36.83,0.381 36.83,-8.605 30.988,-8.605 27.559,-8.605 27.559,-9.144
+3V3_VDD on Top "+3V3_VDD" (solid, remove dead copper, pour order 8): 12.446,3.81 15.875,3.81 15.875,8.255 12.446,8.255
WPT_SW1 on Top "WPT_SW1" (solid, remove dead copper, pour order 7): -40.406,7.386 -46.101,7.386 -46.101,10.033 -38.762,10.033 -37.833,9.024 -37.833,2.54 -38.19,2.54 -38.227,2.577 -38.227,5.207
WPT_SW2 on Top "WPT_SW2" (solid, remove dead copper, pour order 6): -35.11,7.433 -34.036,7.433 -34.036,8.967 -34.383,9.315 -36.302,9.315 -37.664,7.952 -37.664,2.54 -37.264,2.54 -37.227,2.577 -37.227,5.317
+5V0_WPT_VIN on Top "+5V0_WPT_VIN1" (solid, remove dead copper, pour order 22): -39.243,4.318 -40.132,5.207 -43.053,5.207 -43.053,7.239 -40.259,7.239 -38.332,5.312 -38.332,2.54 -38.481,2.54 -39.243,3.302
NetC404_1 on Top "NetC404_1" (solid, remove dead copper, pour order 5): -46.101,10.541 -46.101,14.732 -32.004,14.732 -32.004,10.541
+5V0_WPT_VIN on Top "+5V0_WPT_VIN" (solid, remove dead copper, pour order 21): -50.038,0.889 -50.038,4.318 -44.958,4.318 -44.958,0.889
+5V0_WPT_VIN on Top "+5V0_WPT_VIN1" (solid, remove dead copper, pour order 23): -36.211,4.318 -35.322,5.207 -32.401,5.207 -32.401,7.239 -35.195,7.239 -37.153,5.281 -37.153,2.54 -36.973,2.54 -36.211,3.302
5V_DC/DC_OUT on Top "NetC503_2" (solid, remove dead copper, pour order 0): 13.991,-6.096 13.843,-5.948 13.843,-1.516 13.907,-1.452 16.256,-1.452 16.256,-2.469 17.08,-2.469 17.526,-2.469 17.526,-5.588 17.018,-6.096
NetJ600_1 on Top "USB_GND" (solid, remove dead copper, pour order 9): 45.212,-4.953 45.212,-4.064 50.419,-4.064 50.419,3.937 45.212,3.937 45.212,4.953 53.04,4.953 53.04,-4.953
+BAT on Top "+BAT" (solid, remove dead copper, pour order 13): 36.83,6.731 36.83,9.652 43.815,9.652 43.815,6.731
+VAUX on Top "+VAUX" (solid, remove dead copper, pour order 12): 27.933,-9.179 28.702,-9.179 28.702,-10.634 27.305,-10.634 27.305,-12.192 30.099,-12.192 30.099,-15.748 39.878,-15.748 39.878,-10.922 36.957,-10.922 36.957,-8.763 27.933,-8.763
+5V0_VCC on Top "+5V0_VCC" (solid, remove dead copper, pour order 10): 10.541,-6.858 10.541,-0.762 13.716,-0.762 13.716,-6.858
+3V3_VDD on Power "+3V3_VDD_POWER" (solid, remove dead copper, pour order 28): -48.027,-17.67 -29.997,-17.678 -29.997,-28.571 -29.972,-28.596 29.958,-28.596 29.997,-28.575 29.997,-17.678 48,-17.678 48.027,-17.669 ccw(c25,0) 53.281,-6.529 53.281,-6.516 53.281,6.516 53.281,6.529 ccw(c25,0) 48.027,17.669 48,17.678 29.997,17.678 29.997,20.32 -29.997,20.32 -29.997,17.678 -48,17.678 -48.027,17.669 ccw(c-25,0)
+5V0_VCC on Power "+5V0_VCC_POWER" (solid, remove dead copper, pour order 4): -47.371,-15.748 -50.165,-12.954 -50.165,0.781 -31.496,0.756 -31.496,7.465 -27.178,7.465 -27.178,-8.255 10.414,-8.255 10.414,-2.032 15.875,-2.032 15.875,-15.748
+5V0_WPT_VIN on Power "+5V0_WPT_VIN_POWER" (solid, remove dead copper, pour order 2): -50.313,0.785 -31.775,0.785 -31.775,7.493 -50.302,7.493
GND on Bottom "GND_BOTTOM" (solid, remove dead copper, pour order 27): -48.027,-17.67 -29.997,-17.678 -29.997,-28.571 -29.972,-28.596 29.958,-28.596 29.997,-28.575 29.997,-17.678 48,-17.678 48.027,-17.669 ccw(c25.001,0) 53.281,-6.529 53.281,-6.516 53.281,6.516 53.281,6.529 ccw(c25.001,0) 48.027,17.669 48,17.678 29.997,17.678 29.997,20.32 -29.997,20.32 -29.997,17.678 -31.637,17.671 -31.619,7.239 -46.788,7.239 -46.788,17.67 -48,17.678 -48.027,17.669 ccw(c-25,0)
+VBUS on Bottom "+VBUS" (solid, remove dead copper, pour order 16): 26.924,-5.715 24.638,-5.715 24.638,-11.684 26.797,-11.684 26.797,-8.636 50.165,-8.636 50.165,2.159 40.789,2.159 40.894,10.033 34.925,10.033 34.925,5.588 32.639,5.588 32.639,-5.715
NetC404_1 on Bottom "NetC404_1_BOTTOM" (solid, remove dead copper, pour order 3): -46.355,10.414 -46.355,14.605 -32.385,14.605 -32.385,11.049 -33.02,10.414
NetC408_2 on Bottom "NetC408_2" (solid, remove dead copper, pour order 1): -34.036,7.349 -34.036,10.033 -33.503,10.566 -32.106,10.566 -31.623,11.049 -29.337,11.049 -29.337,7.112 -31.75,7.112 -31.987,7.349
WPT_SW1 on Bottom "WPT_SW1_BOTTOM" (solid, remove dead copper, pour order 26): -46.355,7.874 -46.355,9.779 -46.135,9.999 -35.145,9.999 -34.925,9.779 -34.925,7.874 -35.179,7.62 -46.101,7.62
GND on GND "GND" (solid, remove dead copper, pour order 29): -48.027,-17.67 -29.997,-17.678 -29.997,-28.571 -29.972,-28.596 29.958,-28.596 29.997,-28.575 29.997,-17.678 48,-17.678 48.027,-17.669 ccw(c25,0) 53.281,-6.529 53.281,-6.516 53.281,6.516 53.281,6.529 ccw(c25,0) 48.027,17.669 48,17.678 29.997,17.678 29.997,20.32 -29.997,20.32 -29.997,17.678 -48,17.678 -48.027,17.669 ccw(c-25,0)

## Other copper
Top:
  pour cut-out: -38.354,-7.366 -34.925,-7.366 -34.671,-7.62 -34.671,-10.414 -35.028,-10.771 -37.108,-10.771 -37.108,-10.258 -38.615,-10.258 -38.615,-7.589 -38.577,-7.589
  pour cut-out: 17.78,-3.053 17.78,-1.853 18.757,-1.853 18.757,-3.053
  pour cut-out: 16.766,3.429 18.161,3.429 18.161,-0.366 16.766,-0.366
GND:
  pour cut-out: -46.736,17.526 -46.736,7.24 -31.625,7.24 -31.625,17.526
Power:
  pour cut-out: -46.736,17.526 -46.736,7.493 -31.623,7.493 -31.623,17.526

## Silkscreen, mask and mechanical layers (free items; w line width, h text height)
Top Overlay:
  drawing of 30 lines, arcs and shapes, not listed
  text "3V3_ON" at 12.419,17.116 h0.75
  text "BAT_MEAS" at 23.722,14.576 h0.75
  text "VCHG_ON" at 11.657,13.814 h0.75
  text "WPT Charger Main PCB" at -28.575,13.354 h1.2
  text "BAT" at 41.502,12.546 h0.75
  text "GND" at 20.674,12.419 h0.75
  text "v..VerMay..VerMin..Rev" at -20.828,10.795 h1.2
  text "GND" at 14.578,10.26 h0.75
  text "BLE Antenna" at 4.345,9.879 h0.75 r90
  text "JTAG" at 7.847,9.625 h0.75
  text "GND" at 44.931,5.942 h0.75
  text "3V7" at 12.727,5.688 h0.75 r90
  text "5V_WPT" at -52.351,4.289 h0.75
  text "VBAT" at 29.564,1.878 h0.75
  text "V_UNREG" at 22.579,1.114 h0.75
  text "GND" at 11.911,0.1 h0.75
  text "GND" at -52.732,-3.329 h0.75
  text "5V" at 11.403,-3.329 h0.75
  text "BUZZER" at -8.609,-3.837 h0.75 r90
  text "VCHG" at 30.326,-3.964 h0.75
  text "GND" at -28.729,-12.981 h0.75
  text "VCHG_MEAS" at 20.674,-14.38 h0.75
  text "VAUX Supply" at 39.47,-14.89 h0.75
  text "LED_DIN" at -20.474,-15.777 h0.75
  text "BUTTON3" at -14.251,-16.156 h0.75
  text "BUTTON2" at -2.948,-16.156 h0.75
  text "BUTTON1" at 8.355,-16.156 h0.75
  text "CSn" at -36.803,-16.293 h0.75 r90
  text "CLK" at -35.194,-16.293 h0.75 r90
  text "SDO" at -31.977,-16.41 h0.75 r90
  text "SDIN" at -33.586,-16.918 h0.75 r90
Bottom Overlay:
  text "R_MCU" at 36.857,16.227 h0.75
  text "COIL" at -40.486,11.33 h0.75 r90
  text "TX_MCU" at 32.666,10.893 h0.75
  text "3V3_UART" at 32.412,8.226 h0.75
  text "VBUS" at 36.095,2.64 h0.75
  text "Therm" at -43.661,-3.656 h0.75 r90
Board Shape:
  lines w0.05: -48.007,-17.654 cw(c-25,0) -48.007,17.654 ; -48.006,-17.653 -29.972,-17.653 -29.972,-28.571 29.972,-28.571 ; -48.006,17.653 -29.972,17.653 ; 29.972,-28.575 29.972,-17.653 48.006,-17.653 ; 48.006,17.653 29.972,17.653 29.972,28.575 -29.972,28.575 ; 48.007,-17.654 ccw(c25,0) 53.257,-6.524 ; 48.007,17.654 cw(c25,0) 53.257,6.524 53.256,6.524 53.256,-6.524 ; -29.972,17.653 -29.972,28.575 ; -29.972,17.653 -29.972,28.575
Mechanical Inputs:
  circle w0.05: c-25,-17 r3.25
  circle w0.05: c-25,17 r3.25
  circle w0.05: c25,17 r3.25
  circle w0.05: c25,-17 r3.25
  lines w0.1: -25.908,-28.321 25.092,-28.321 25.092,22.679 -25.908,22.679 -25.908,-28.321